# Altium PCB bms_mainboard-1_0.PcbDoc (part 5 of 7)
Units mm, origin at the board's own origin, x right, y up, seen from the top; angles counter-clockwise.
Board outline 287.5 x 127.76 mm, 6 copper layers (L1, L2, L3, L4, L5, L6), stack 1.853 mm thick; 821 components, 640 nets, 2823 pads, 1876 vias.
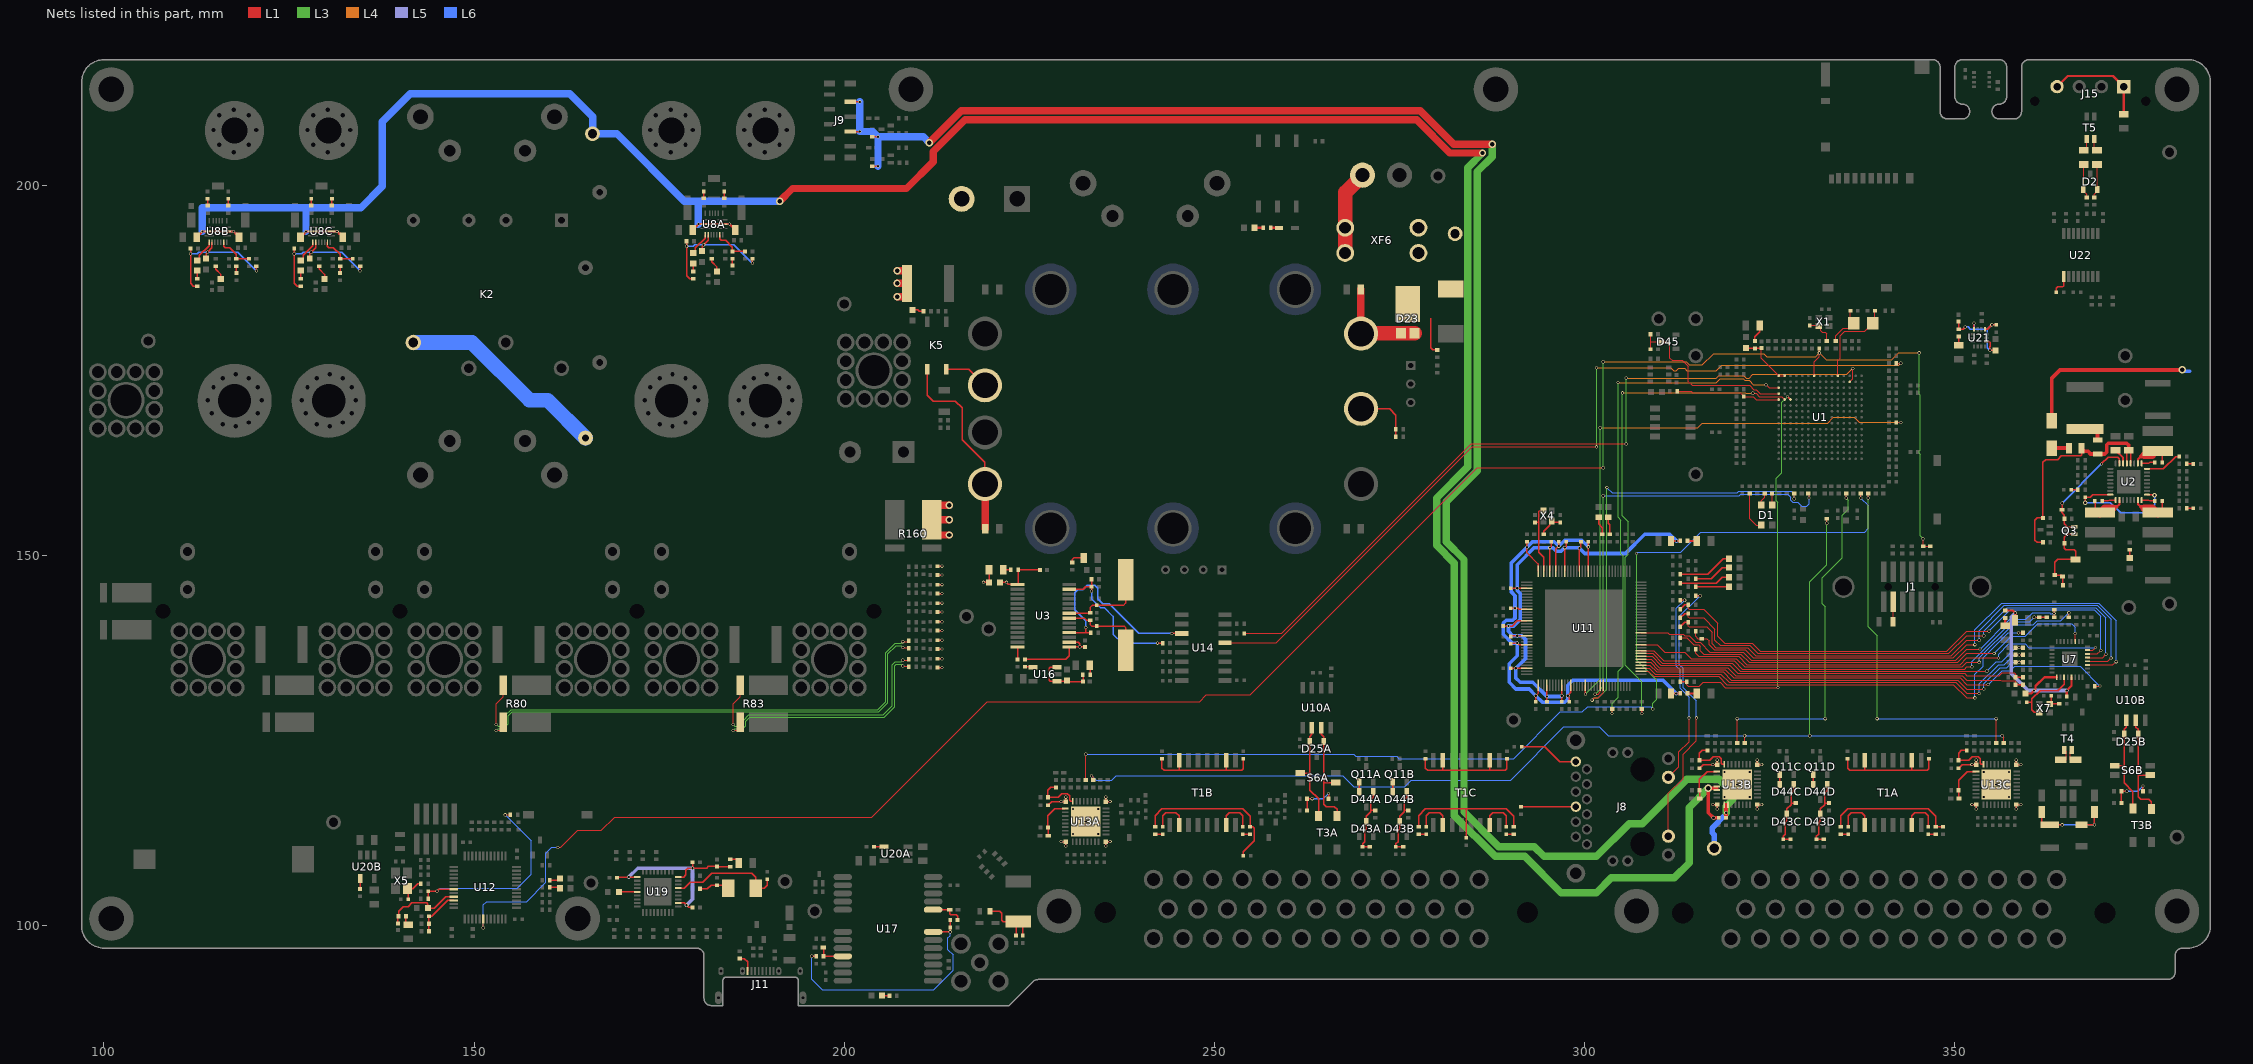
[diagram p9: the nets of this part, all layers, seen from the top]

## Via types
v1: diameter 0.45, hole 0.3, L1 to L6, 908 vias
v2: diameter 1, hole 0.6, L1 to L6, 875 vias
v3: diameter 0.65, hole 0.3, L1 to L6, 41 vias
v4: diameter 0.5, hole 0.35, L1 to L6, 28 vias
v5: diameter 0.45, hole 0.3, L1 to L6, tented both sides, 24 vias

## Nets (pads, with @x,y where several pads share a name; then routed paths per layer and width w, separated by ;. In a path a pad name is that pad's centre, name@x,y a point inside that pad or via, vN(x,y) a via of type N, cw(c..) or ccw(c..) an arc to the next point about the centre after c; other vN are vias at no path point) (continued)
LV_COIL: C81A.2 C81B.2 C81C.2 C83A.2 C83B.2 C83C.2 C157B.1 TP34.1 U8A.2 U8A.11 U8B.2 U8B.11 U8C.2 U8C.11 U13B.21 U13B.22 | length 389
  L1 w0.305: C81B.2@112.55,193 112.55,193.2 112.848,193.498 113.048,193.498 113.291,193.741 113.291,193.791 v1(113.3,193.8) U8B.11@114.25,193.8 U8B.2@116.55,193.8 v1(117.5,193.8) 117.802,193.498 117.952,193.498 118.25,193.2 C83B.2@118.25,193 ; C81C.2@126.55,193 126.55,193.2 126.848,193.498 127.048,193.498 127.291,193.741 127.291,193.791 v1(127.3,193.8) U8C.11@128.25,193.8 U8C.2@130.55,193.8 v1(131.5,193.8) 131.802,193.498 131.952,193.498 132.25,193.2 C83C.2@132.25,193 ; C81A.2@179.55,194 179.55,194.2 179.848,194.498 180.048,194.498 180.291,194.741 180.291,194.791 v1(180.3,194.8) U8A.11@181.25,194.8 U8A.2@183.55,194.8 v1(184.5,194.8) 184.802,194.498 184.952,194.498 185.25,194.2 C83A.2@185.25,194
  L1 w0.5: 317.85,118.6 v2(316.7,118.6) 316.7,115.3 v4(317.4,114.6) C157B.1@318.1,114.6
  L1 w1: v2(191.3,197.9) 193,199.6 208.4,199.6 212,203.2 212,204.6 216.3,208.9 277.3,208.9 281.8,204.4 v2(286.2,204.4)
  L3 w1: v2(286.2,204.4) 284.2,202.4 284.2,162 280,157.8 280,151.4 282.4,149 282.4,114.9 287.9,109.4 291.9,109.4 296.8,104.5 301.6,104.5 303.6,106.5 312.1,106.5 314.1,108.5 314.1,116 v2(316.7,118.6)
  L6 w0.305: v1(113.3,193.8) v1(117.5,193.8) ; v1(127.3,193.8) v1(131.5,193.8) ; v1(180.3,194.8) v1(184.5,194.8)
  L6 w1: v1(113.3,193.8) 113.3,197.019 127.3,197.019 ; v1(127.3,193.8) 127.3,197.019 ; v1(180.3,194.8) 180.3,197.9 ; v2(191.3,197.9) 180.3,197.9 ; 127.3,197.019 134.719,197.019 137.6,199.9 137.6,208.6 141.376,212.376 162.924,212.376 166,209.3 TP34.1@166,207 169.3,207 178.4,197.9 180.3,197.9
LV_FAN: C156B.1 J9.2 J9.6 R116.1 R117.1 TP36.1 U13B.25 U13B.26 | length 250
  L1 w0.2: J9.6@200.8,207.3 v1(202.1,207.3) ; J9.2@200.8,211.3 v1(202.1,211.3) ; R116.1@203.75,202.6 v1(204.55,202.6) ; R117.1@203.75,206.6 v1(204.55,206.6)
  L1 w0.5: C156B.1@319.1,114.6 v4(319.1,115.3) 319.1,116.35
  L1 w1: v2(211.5,205.8) 215.8,210.1 277.8,210.1 282.3,205.6 v2(287.5,205.6)
  L3 w1: v2(287.5,205.6) 287.5,203.9 285.5,201.9 285.5,161.5 281.3,157.3 281.3,151.9 283.7,149.5 283.7,115.4 288.4,110.7 293.2,110.7 294.5,109.4 301.6,109.4 306,113.8 307.8,113.8 313.8,119.8 318.2,119.8 320,118 320,117.1 319.1,116.2 v4(319.1,115.3)
  L6 w0.75: TP36.1@317.5,110.5 317.5,112.3 317.2,112.6 317.2,113.2 319.1,115.1 v4(319.1,115.3)
  L6 w1: v1(202.1,211.3) v1(202.1,207.3) 203.85,207.3 v1(204.55,206.6) ; v1(204.55,202.6) v1(204.55,206.6) ; v2(211.5,205.8) 210.7,206.6 v1(204.55,206.6)
LV_nSS0_1: R224A.2 R260.1 | length 143.5
  L1 w0.15: R224A.2@232.6,119.7 v1(232.6,123.2) ; v1(337.3,157.8) R260.1@337.3,158.4
  L3 w0.15: v1(307,150.3) 307,135.9 309.7,133.2 309.7,130.6 309.2,130.1 v1(309.2,129.3)
  L6 w0.15: v1(232.6,123.2) 268.8,123.2 269.1,122.9 274.6,122.9 274.9,122.6 290.4,122.6 296.7,128.9 299.7,128.9 300.4,129.6 308.9,129.6 v1(309.2,129.3) ; v1(307,150.3) 307.2,150.5 313,150.5 315.7,153.2 337.8,153.2 338.3,153.7 338.3,156.8 v1(337.3,157.8)
LV_nSS1_1: R224B.2 R261.1 | length 47.3
  L1 w0.15: R224B.2@320.6,124.7 v1(320.6,128) ; R261.1@335.3,158.4 335.325,158.375 v1(335.325,157.8)
  L3 w0.15: v1(332.5,128) 332.5,143.1 332.1,143.5 332.1,147 334.8,149.7 334.8,155.5 335.6,156.3 335.6,157.525 v1(335.325,157.8)
  L6 w0.15: v1(320.6,128) v1(332.5,128)
LV_nSS2_1: R224C.2 R262.1 | length 50.3
  L1 w0.15: v1(338.3,157.8) R262.1@338.3,158.4 ; R224C.2@355.6,124.7 v1(355.6,128)
  L3 w0.15: v1(338.3,157.8) 338.3,140.4 339.5,139.2 v1(339.5,128)
  L6 w0.15: v1(339.5,128) v1(355.6,128)
LV_PWM_CLK_1: R9.1 R223A.2 R223B.2 R223C.2 | length 161
  L1 w0.15: v1(233.4,120.3) 233.6,120.1 R223A.2@233.6,119.7 ; R223B.2@321.6,124.7 v1(321.6,125.7) ; v1(332.7,154.4) R9.1@332.7,155 ; v1(356.4,125.7) 356.6,125.5 R223C.2@356.6,124.7
  L3 w0.15: v1(330.4,125.7) 330.4,146.5 332.7,148.8 v1(332.7,154.4)
  L6 w0.15: v1(233.4,120.3) 234,119.7 236.1,119.7 236.7,120.3 267.3,120.3 268.8,118.8 275.7,118.8 276.6,119.7 290,119.7 297.2,126.9 302,126.9 303.2,125.7 v1(321.6,125.7) v1(356.4,125.7)
LVB: C152A.1 C152B.1 C152C.1 D6.1 D12.2 D23.2 R108.2 TP32.1 U13A.33 U13A.34 U13A.35 U13A.36 U13A.EP U13B.33 U13B.34 U13B.35 U13B.36 U13B.EP U13C.33 U13C.34 U13C.35 U13C.36 U13C.EP XF6.2 | length 50.3
  L1 w0.2: C152A.1@227.5,116.3 228,116.8 v5(229.3,116.8) U13A.35@229.9,116.8 v5(229.9,117.4) ; v5(229.3,111.4) U13A.36@229.9,111.4 v5(229.9,110.8) ; v5(235.3,110.8) U13A.33@235.3,111.4 v5(235.9,111.4) ; v5(235.3,117.4) U13A.34@235.3,116.8 v5(235.9,116.8) ; 279.2,182.1 279.2,178.1 279.5,177.8 R108.2@280.1,177.8 ; C152B.1@315.5,121.3 316,121.8 v5(317.3,121.8) U13B.35@317.9,121.8 v5(317.9,122.4) ; v5(317.3,116.4) U13B.36@317.9,116.4 v5(317.9,115.8) ; v5(323.3,115.8) U13B.33@323.3,116.4 v5(323.9,116.4) ; v5(323.3,122.4) U13B.34@323.3,121.8 v5(323.9,121.8) ; C152C.1@350.5,121.3 351,121.8 v5(352.3,121.8) U13C.35@352.9,121.8 v5(352.9,122.4) ; v5(352.3,116.4) U13C.36@352.9,116.4 v5(352.9,115.8) ; v5(358.3,115.8) U13C.33@358.3,116.4 v5(358.9,116.4) ; v5(358.3,122.4) U13C.34@358.3,121.8 v5(358.9,121.8)
  L1 w0.5: D6.1@363.1,168.25 363.1,174 364.2,175.1 v2(380.7,175.1)
  L6 w0.5: v2@380.7,174.9 381.7,174.9
  other v1: 230.9,112.4 234.3,112.4 232.6,114.1 230.9,115.8 234.3,115.8 318.9,117.4 322.3,117.4 353.9,117.4 357.3,117.4 320.6,119.1 355.6,119.1 318.9,120.8 322.3,120.8 353.9,120.8 357.3,120.8
MC0_IS._1_N: R80.4 R107E.2 | length 65.8
  L1 w0.123: v1(153,126.4) R80.4@153.7,126.4 ; v1(207.9,137.6) 208.6,137.6 R107E.2@208.7,137.5
  L3 w0.123: v1(153,126.4) 153.238,126.638 153.934,126.638 154.623,127.328 154.623,128.4 155.123,128.9 204.657,128.9 205.9,130.143 205.9,136.743 206.995,137.838 207.662,137.838 v1(207.9,137.6)
MC0_IS._1_P: R80.3 R104E.2 | length 70.8
  L1 w0.123: v1(153,127.2) 153,130 153.95,130.95 R80.3@153.95,132.5 ; v1(207.9,138.4) 208.6,138.4 R104E.2@208.7,138.5
  L3 w0.123: v1(153,127.2) 153.238,126.962 153.8,126.962 154.3,127.462 154.3,128.534 154.989,129.223 204.523,129.223 205.577,130.277 205.577,136.877 206.862,138.162 207.662,138.162 v1(207.9,138.4)
MC1_IS._1_N: R83.3 R107F.2 | length 36.8
  L1 w0.123: v1(185,127.2) 185,130 185.95,130.95 R83.3@185.95,132.5 ; v1(207.9,135.9) 208.6,135.9 R107F.2@208.7,136
  L3 w0.123: v1(185,127.2) 185.238,126.962 186.162,126.962 186.4,127.2 186.4,127.8 187.123,128.523 205.266,128.523 206.5,129.757 206.5,135.257 206.905,135.662 207.662,135.662 v1(207.9,135.9)
MC1_IS._1_P: R83.4 R104F.2 | length 31.8
  L1 w0.123: v1(185,126.4) R83.4@185.7,126.4 ; v1(207.9,135.1) 208.6,135.1 R104F.2@208.7,135
  L3 w0.123: v1(185,126.4) 185.238,126.638 186.295,126.638 186.723,127.066 186.723,127.666 187.257,128.2 205.4,128.2 206.823,129.623 206.823,135.123 207.038,135.338 207.662,135.338 v1(207.9,135.1)
MCP3913_nDR_1: R233.2 U1.C2 | length 104.5
  L1 w0.15: R233.2@254,139.5 259.1,139.5 284.7,165.1 v1(305.6,165.1) ; U1.C2@335.8,173.5 336.2,173.9 v1(336.2,175.3)
  L3 w0.15: v1(305.6,165.1) v1(305.6,174)
  L4 w0.15: v1(305.6,174) 317.8,174 318.1,174.3 321.5,174.3 321.8,174 322.2,174 322.7,174.5 335.4,174.5 v1(336.2,175.3)
MCP3913_nDR_ISO_1: R75.1 U3.18 U14.11 | length 27.3
  L1 w0.2: U3.18@230.4,139.625 230.425,139.6 232.6,139.6 ; v1(232.6,140.3) 232.6,139.6 ; R75.1@233.3,139.6 232.6,139.6 ; v1(244.22,139.509) 244.224,139.505 U14.11@245.579,139.505
  L6 w0.2: v1(232.6,140.3) 232.6,141.2 231.1,142.7 231.1,145 231.5,145.4 232.2,145.4 232.8,146 233.8,146 234.2,145.6 234.2,144.2 234.9,143.5 235.8,143.5 239.791,139.509 v1(244.22,139.509)
MCP3913_nRST_1: R28.1 U14.5 | length 114.4
  L1 w0.15: U14.5@251.421,138.235 258.335,138.235 284.8,164.7 v1(301.6,164.7) ; R28.1@342.1,176 v1(342.7,176)
  L3 w0.15: v1(301.6,164.7) v1(301.6,175.4)
  L4 w0.15: v1(301.6,175.4) 311.6,175.4 312,175 312.4,175 312.7,175.3 313.5,175.3 313.8,175 317.8,175 318.5,175.7 342.4,175.7 v1(342.7,176)
MCP3913_nRST_ISO_1: C34.1 R76.1 R228.1 U3.27 | length 19.2
  L1 w0.203: U3.27@230.4,145.475 232.275,145.475 232.6,145.8 C34.1@233.4,145.8 ; v1(233.4,145.2) C34.1@233.4,145.8 ; R76.1@233.4,146.8 C34.1@233.4,145.8 ; v1(242.3,138.2) R228.1@243,138.2
  L6 w0.203: v1(233.4,145.2) 233.4,144.2 234.6,143 235.1,143 236.3,141.8 236.3,139.4 237.5,138.2 v1(242.3,138.2)
MCU_nRST_1: C14.1 R30.2 R32.1 U1.J1 U12.18 | length 272.6
  L1 w0.15: v1(151.248,99.764) 151.25,99.767 U12.18@151.25,100.95 ; v1(161.3,110.6) 161.7,110.6 164,112.9 167.2,112.9 169,114.7 203.7,114.7 219.3,130.3 248,130.3 248.9,131.2 254.8,131.2 285.5,161.9 v1(302.5,161.9) ; U1.J1@331,174.3 331,176.2 331.7,176.9 v1(331.7,177.4) C14.1@331.7,178 ; v1(345.7,152.3) R30.2@345.7,151.3 R32.1@346.7,151.3
  L3 w0.15: v1(302.5,161.9) v1(302.5,176.2) ; v1(345.2,177.4) 345.2,172 345.2,171.834 345.3,171.734 345.3,164.266 345.2,164.166 345.2,163.834 345.3,163.734 345.3,152.7 v1(345.7,152.3)
  L4 w0.15: v1(302.5,176.2) 313.7,176.2 314.1,175.8 315.9,175.8 317.4,177.3 324.2,177.3 324.6,176.9 331.2,176.9 v1(331.7,177.4) 332.6,176.5 341.5,176.5 342.4,177.4 v1(345.2,177.4)
  L6 w0.15: v1(151.248,99.764) 151.248,102.848 151.7,103.3 157.1,103.3 159.7,105.9 159.7,109.8 160.5,110.6 v1(161.3,110.6)
MCU_RMII.CRS_DV_1: R174.1 U1.R3 | length 68.6
  L1 w0.15: v1(303.7,128.7) R174.1@303.7,129.3 ; v1(324.5,173.1) 324.9,172.7 U1.R3@326.2,172.7
  L3 w0.15: v1(303.7,128.7) 303.7,130.1 304.5,130.9 304.5,134.4 305.2,135.1 305.2,150 304.9,150.3 304.9,154.8 304.5,155.2 v1(304.5,173.4)
  L4 w0.15: v1(304.5,173.4) 317.8,173.4 318.3,173.9 321.4,173.9 321.6,173.7 322.2,173.7 322.8,173.1 v1(324.5,173.1)
MCU_RMII.RXD0_1: R175.1 R176.2 U1.N5 | length 54.7
  L1 w0.15: R176.2@313.8,133 313.8,132.6 314,132.4 315.5,132.4 316,132.9 318.3,132.9 319,132.2 v1(326.1,132.2)
  L1 w0.2: R175.1@312.9,133 R176.2@313.8,133 ; v1(327.4,171.5) U1.N5@327.8,171.1
  L3 w0.15: v1(326.1,132.2) 326.1,157.2 325.9,157.4 325.9,160.5 326.6,161.2 326.6,170.7 v1(327.4,171.5)
MCU_RMII.RXD1_1: R178.1 U1.P5 | length 67.6
  L1 w0.15: v1(322.687,171.945) 323.155,171.945 323.6,171.5 326.6,171.5 U1.P5@327,171.1
  L1 w0.2: v1(307.7,128.7) R178.1@307.7,129.3
  L3 w0.15: v1(305.1,172) 305.1,155.4 305.9,154.6 305.9,150.2 305.5,149.8 305.5,135.2 307.7,133 v1(307.7,128.7)
  L4 w0.15: v1(305.1,172) 321.7,172 321.755,171.945 v1(322.687,171.945)
MCU_RMII.TX_EN_1: R38.1 U11.49 | length 80.1
  L1 w0.15: R38.1@342.1,168 v1(342.7,168)
  L1 w0.203: v1(300.1,131.3) U11.49@300.1,132.5
  L3 w0.15: v1(300.1,131.3) 302.1,133.3 v1(302.1,167.3)
  L4 w0.15: v1(302.1,167.3) 315.3,167.3 315.9,167.9 332.8,167.9 333.6,168.7 336.4,168.7 337.1,168 v1(342.7,168)
MCU_RMII.TXD0_1: R40.1 U11.55 | length 59.9
  L1 w0.15: v1(301,130.5) 301.3,130.8 301.8,130.8 302.5,131.5 U11.55@302.5,132.5 ; v1(328.3,157.7) R40.1@328.3,158.4
  L3 w0.15: v1(301,130.5) 301.3,130.8 301.8,130.8 303,132 v1(303,159.21)
  L6 w0.15: v1(303,159.21) 303.71,158.5 320.6,158.5 320.8,158.7 327.9,158.7 328.3,158.3 v1(328.3,157.7)
MCU_RMII.TXD1_1: R41.1 U11.54 | length 59.3
  L1 w0.15: v1(301.4,131.3) 301.8,131.3 302.1,131.6 U11.54@302.1,132.5 ; v1(330.3,157.8) R41.1@330.3,158.4
  L3 w0.15: v1(301.4,131.3) 302.5,132.4 v1(302.5,158.11)
  L6 w0.15: v1(302.5,158.11) 320.91,158.11 321.1,158.3 327.4,158.3 327.8,157.9 327.8,157.5 328.1,157.2 328.8,157.2 329.3,156.7 330,156.7 330.3,157 v1(330.3,157.8)
MCU_VDDA: C145.1 FB11.1 R199.2 U12.9 | length 10.9
  L1 w0.2: FB11.1@139.7,100.35 139.7,101.2 R199.2@139.8,101.3 139.8,102 140.4,102.6 141.1,102.6 141.6,103.1 143.6,103.1 143.75,102.95 C145.1@143.75,102.4 144.6,102.4 146.15,103.95 U12.9@147.25,103.95
MCU_VDDA_2: C12.1 FB1.1 R11.2 U1.P1 U1.R1 | length 7.5
  L1 w0.15: FB1.1@323.85,178 323.85,176.65 U1.R1@326.2,174.3 U1.P1@327,174.3
  L1 w0.2: C12.1@321.8,178.05 322.95,178.05 R11.2@323,178 FB1.1@323.85,178
MII_P7.COL: R192.2 U11.69 | length 66.1
  L1 w0.15: U11.69@307.6,135.6 308.9,135.6 309.9,134.6 319,134.6 320.1,133.5 350.7,133.5 351.6,132.6 v1(354.5,132.6) ; R192.2@368.9,132.4 v1(369.6,132.4)
  L6 w0.15: v1(354.5,132.6) 356.4,134.5 357.5,134.5 358.1,135.1 366.9,135.1 v1(369.6,132.4)
MII_P7.CRS: R191.2 R239.1 U11.79 | length 61
  L1 w0.15: U11.79@307.6,139.6 311.2,139.6 311.4,139.4 313.3,139.4 313.5,139.2 314.1,139.2 315,138.3 315.6,138.3 316.9,137 321.4,137 322.5,135.9 350.1,135.9 351.6,137.4 v1(353.4,137.4)
  L1 w0.2: R191.2@363.4,141.7 v1(363.4,142.2) R239.1@363.4,142.7
  L6 w0.15: v1(353.4,137.4) 357.4,141.4 359.6,141.4 360.5,142.3 362.8,142.3 362.9,142.2 v1(363.4,142.2)
MII_P7.RX_CLK: R150.2 U11.66 | length 59.3
  L1 w0.15: U11.66@307.6,134.4 308.6,134.4 309.3,133.7 318.1,133.7 319.2,132.6 349.8,132.6 351.6,130.8 v1(352.7,130.8) ; v1(358.6,139.6) R150.2@359.2,139.6
  L6 w0.15: v1(352.7,130.8) 352.7,134 353.8,135.1 353.8,136.2 357.2,139.6 v1(358.6,139.6)
MII_P7.RX_DV: R149.2 R187.1 U11.67 | length 56.4
  L1 w0.15: U11.67@307.6,134.8 308.7,134.8 309.5,134 318.4,134 319.5,132.9 350.1,132.9 351.6,131.4 v1(353.3,131.4)
  L1 w0.2: R187.1@358.2,136.6 v1(358.7,136.6) R149.2@359.2,136.6
  L6 w0.15: v1(353.3,131.4) 353.3,132.7 355.9,135.3 356.7,135.3 358,136.6 v1(358.7,136.6)
MII_P7.RX_ER: R172.2 R177.1 U11.68 | length 55.3
  L1 w0.15: U11.68@307.6,135.2 308.8,135.2 309.7,134.3 318.7,134.3 319.8,133.2 350.4,133.2 351.6,132 v1(353.9,132)
  L1 w0.2: R177.1@358.2,135.6 v1(358.7,135.6) R172.2@359.2,135.6
  L6 w0.15: v1(353.9,132) 353.9,132.7 356.1,134.9 357,134.9 357.7,135.6 v1(358.7,135.6)
MII_P7.RXD0: R151.2 R185.1 U11.73 | length 59.2
  L1 w0.15: U11.73@307.6,137.2 309.3,137.2 310.7,135.8 320.2,135.8 321.3,134.7 351.3,134.7 351.6,135 v1@352.313,135 ; v1(360.734,141.689) 360.745,141.7 R185.1@361.4,141.7
  L1 w0.2: R185.1@361.4,141.7 R151.2@362.4,141.7
  L6 w0.15: v1(352.313,135.011) 352.311,135.011 352.3,135 352.3,135.7 357.7,141.1 360.145,141.1 v1(360.734,141.689)
MII_P7.RXD1: R153.2 R184.1 U11.72 | length 54.4
  L1 w0.15: U11.72@307.6,136.8 309.2,136.8 310.5,135.5 319.9,135.5 321,134.4 v1(354.3,134.4)
  L1 w0.2: R184.1@358.2,137.6 v1(358.7,137.6) R153.2@359.2,137.6
  L6 w0.15: v1(354.3,134.4) 355.6,135.7 356.3,135.7 358.2,137.6 v1(358.7,137.6)
MII_P7.RXD2: R146.2 R157.2 U11.71 | length 53.3
  L1 w0.15: U11.71@307.6,136.4 309.1,136.4 310.3,135.2 319.6,135.2 320.7,134.1 351.3,134.1 351.6,133.8 356,133.8 356.4,134.2 358,134.2 358.2,134 R146.2@358.2,133.6
  L1 w0.2: R146.2@358.2,133.6 R157.2@359.2,133.6
MII_P7.RXD3: R158.2 R183.1 U11.70 | length 53.2
  L1 w0.15: U11.70@307.6,136 309,136 310.1,134.9 319.3,134.9 320.4,133.8 351,133.8 351.6,133.2 356.2,133.2 356.3,133.1 358.1,133.1 358.2,133 R183.1@358.2,132.6
  L1 w0.2: R183.1@358.2,132.6 R158.2@359.2,132.6
MII_P7.TX_CLK: R190.2 U11.75 | length 63
  L1 w0.15: U11.75@307.6,138 309.8,138 310.8,137 313.5,137 314.4,136.1 320.5,136.1 321.6,135 351,135 351.6,135.6 v1(353.3,135.6) ; R190.2@365.4,141.7 v1(365.4,142.3)
  L6 w0.15: v1(353.3,135.6) 353.3,136.2 357.8,140.7 360.6,140.7 361.1,141.2 364.3,141.2 v1(365.4,142.3)
MII_P7.TX_EN: R103.1 U7.7 | length 58.1
  L1 w0.15: R103.1@315,137.4 315,136.8 315.4,136.4 320.8,136.4 321.9,135.3 350.7,135.3 351.6,136.2 v1(355.9,136.2) ; U7.7@367.9,137.25 368.65,137.25 v1(369,137.6)
  L6 w0.15: v1(355.9,136.2) 355.9,136.7 357.3,138.1 359.5,138.1 360,137.6 v1(369,137.6)
MII_P7.TX_ER: R120.1 U7.11 | length 59.4
  L1 w0.15: R120.1@312.9,138.9 313.8,138.9 314.7,138 315.4,138 315.6,137.8 315.6,137.2 316.1,136.7 321.1,136.7 322.2,135.6 350.4,135.6 351.6,136.8 v1(355.3,136.8) ; U7.11@366.25,138.4 366.25,139.502 v1(366.253,139.505)
  L6 w0.15: v1(355.3,136.8) 357.6,139.1 359.5,139.1 361.2,140.8 365.8,140.8 366.253,140.347 v1(366.253,139.505)
MII_P7.TXD0: R121.1 R122.2 U7.6 | length 70.3
  L1 w0.15: R122.2@314,143.4 314,142.9 314.1,142.8 316.1,142.8 318,140.9 318,139.1 318.9,138.2 322.6,138.2 323.7,137.1 348.9,137.1 351.6,139.8 v1(354.6,139.8) ; U7.6@367.9,136.75 369.25,136.75 v1(369.7,137.2)
  L1 w0.2: R121.1@312.9,142.8 313.5,143.4 R122.2@314,143.4
  L6 w0.15: v1(354.6,139.8) 357.5,142.7 368.8,142.7 369.7,141.8 v1(369.7,137.2)
MII_P7.TXD1: R123.1 R124.2 U7.5 | length 72.2
  L1 w0.15: R124.2@314,142.2 314,141.7 314.1,141.6 316.1,141.6 317.6,140.1 317.6,138.6 318.3,137.9 322.3,137.9 323.4,136.8 349.2,136.8 351.6,139.2 v1(353.9,139.2) ; U7.5@367.9,136.25 369.95,136.25 v1(370.4,136.7)
  L1 w0.2: R123.1@312.9,141.6 313.5,142.2 R124.2@314,142.2
  L6 w0.15: v1(353.9,139.2) 353.9,139.8 357.1,143 369,143 370.4,141.6 v1(370.4,136.7)
MII_P7.TXD2: R125.1 R130.2 U7.4 | length 74.5
  L1 w0.15: R130.2@314,141 314,140.5 314.1,140.4 316.5,140.4 317.2,139.7 317.2,138.1 317.7,137.6 322,137.6 323.1,136.5 349.5,136.5 351.6,138.6 v1(353.3,138.6) ; U7.4@367.9,135.75 370.65,135.75 v1(371.1,136.2)
  L1 w0.2: R125.1@312.9,140.4 313.5,141 R130.2@314,141
  L6 w0.15: v1(353.3,138.6) 353.3,139.9 356.7,143.3 369.2,143.3 371.1,141.4 v1(371.1,136.2)
MII_P7.TXD3: R131.1 R133.2 U7.3 | length 73.8
  L1 w0.15: R131.1@315,139.8 315,139.1 315.3,138.8 R133.2@315.8,138.8 316.5,138.8 316.8,138.5 316.8,138 317.5,137.3 321.7,137.3 322.8,136.2 349.8,136.2 351.6,138 v1(352.7,138) ; U7.3@367.9,135.25 371.35,135.25 v1(371.8,135.7)
  L6 w0.15: v1(352.7,138) 352.7,140 356.3,143.6 369.4,143.6 371.8,141.2 v1(371.8,135.7)
NetC13_1: C13.1 R11.1 | length 2.4
  L1 w0.2: R11.1@323,179 323,179.6 323.65,180.25 C13.1@323.65,181.1
NetC15_1: C15.1 R42.2 X1.1 | length 4
  L1 w0.15: C15.1@330.4,181.1 331.55,181.1 X1.1@331.6,181.05 331.9,180.75 331.9,180.4 332.1,180.2 332.5,180.2 332.7,180 R42.2@332.7,179
NetC17_1: C17.1 U1.E1 X2.2 | length 12.5
  L1 w0.15: U1.E1@334.2,174.3 334.2,176.4 334.5,176.7 334.5,179.7 335.1,180.3 337.8,180.3 X2.2@338.9,181.4 339.2,181.7 C17.1@339.2,183.1
NetC18_1: C18.1 R55.2 X2.1 | length 5.7
  L1 w0.15: R55.2@333.9,179 333.9,179.7 334.9,180.7 335.65,180.7 X2.1@336.35,181.4 335.9,181.85 C18.1@335.9,183.1
NetC19_1: C19.1 U2.25 | length 1.8
  L1 w0.203: U2.25@375.225,162.475 376.175,162.475 376.3,162.6 C19.1@377,162.6
NetC19_2: C19.2 L1.1 U2.26 | length 5.5
  L1 w0.2: C19.2@378,162.6 L1.1@378,164.301
  L1 w0.3: U2.26@374.725,162.475 374.725,163.025 375.1,163.4
  L1 w0.5: 375.1,163.4 375.4,163.4 L1.1@375.6,163.6
  L1 w1: L1.1@375.6,163.6 376.685,163.6 L1.1@377.4,164.315
NetC20_1: C20.1 FB5.2 R57.2 R58.2 R62.2 U2.28 U2.29 | length 31.6
  L1 w0.2: R57.2@361.9,151.8 361.1,151.8 360.8,152.1 360.8,154.8 361.1,155.1 R58.2@361.9,155.1 361.9,162.6 362.3,163 363.9,163 364.4,163.5 367,163.5 367.125,163.625 FB5.2@367.125,164.5 ; U2.29@373.225,162.475 373.225,163.975 C20.1@373.5,164.25 373.725,164.025 U2.28@373.725,162.475
  L1 w0.5: FB5.2@367.125,164.5 367.525,164.1 367.975,164.1 368.325,163.75 R62.2@369.275,163.75 370.25,163.75 370.5,164 370.5,165 370.7,165.2 373.2,165.2 373.5,164.9 C20.1@373.5,164.25
NetC21_1: C21.1 U2.30 | length 2.2
  L1 w0.3: C21.1@371.7,164.25 372.725,163.225 U2.30@372.725,162.475
NetC23_1: C23.1 R62.1 | length 3.2
  L1 w0.5: C23.1@367.575,167.15 369.225,167.15 369.275,167.1 R62.1@369.275,165.65
NetC24_1: C24.1 U2.24 | length 5
  L1 w0.2: U2.24@375.95,161.75 378.15,161.75 379.8,163.4 C24.1@380.3,163.4
NetC25_1: C25.1 R65.1 | length 0.9
  L1 w0.2: R65.1@381.3,162.4 C25.1@382.2,162.4
NetC26_1: C26.1 U2.9 | length 1.9
  L1 w0.2: C26.1@369.9,157.4 370.7,157.4 370.825,157.525 U2.9@371.725,157.525
NetC26_2: C26.2 L2.1 U2.10 | length 5.5
  L1 w0.2: L2.1@368.95,155.699 C26.2@368.95,157.4
  L1 w0.3: 371.85,156.6 372.225,156.975 U2.10@372.225,157.525
  L1 w0.5: L2.1@371.35,156.4 371.55,156.6 371.85,156.6
  L1 w1: L2.1@369.55,155.685 370.265,156.4 L2.1@371.35,156.4
NetC29_1: C29.1 R73.1 | length 0.9
  L1 w0.2: C29.1@365.7,158.9 R73.1@366.6,158.9
NetC30_1: C30.1 U2.16 | length 1.8
  L1 w0.2: U2.16@375.225,157.525 376.175,157.525 376.3,157.4 C30.1@377,157.4
NetC30_2: C30.2 L3.1 U2.15 | length 5.5
  L1 w0.2: L3.1@378,155.699 C30.2@378,157.4
  L1 w0.3: U2.15@374.725,157.525 374.725,156.975 375.1,156.6
  L1 w0.5: 375.1,156.6 375.4,156.6 L3.1@375.6,156.4
  L1 w1: L3.1@375.6,156.4 376.685,156.4 L3.1@377.4,155.685
NetC32_1: C32.1 U2.8 U2.17 | length 17
  L1 w0.2: v3(367.612,157.166) 367.6,157.178 C32.1@367.6,157.9 368.3,157.9 368.65,158.25 U2.8@371,158.25 ; U2.17@375.95,158.25 376.898,158.25 v3(376.975,158.173)
  L1 w0.203: U2.8@371,158.25 U2.8@371.007,158.257
  L6 w0.2: v3(367.612,157.166) 371.009,157.166 372.375,155.8 375.875,155.8 376.975,156.9 v3(376.975,158.173)
NetC33_1: C33.1 R93.1 | length 0.9
  L1 w0.2: R93.1@381.3,156.4 C33.1@382.2,156.4
NetC35_1: C35.1 R77.2 U3.22 X3.2 | length 11.7
  L1 w0.203: U3.22@230.4,142.225 233.125,142.225 R77.2@233.2,142.3 233.2,143 233.5,143.3 233.8,143.3 C35.1@234.1,143.3 237.7,143.3 238,143.6 X3.2@238,146.75